# KiCad board Custom ESC.kicad_pcb (continued)
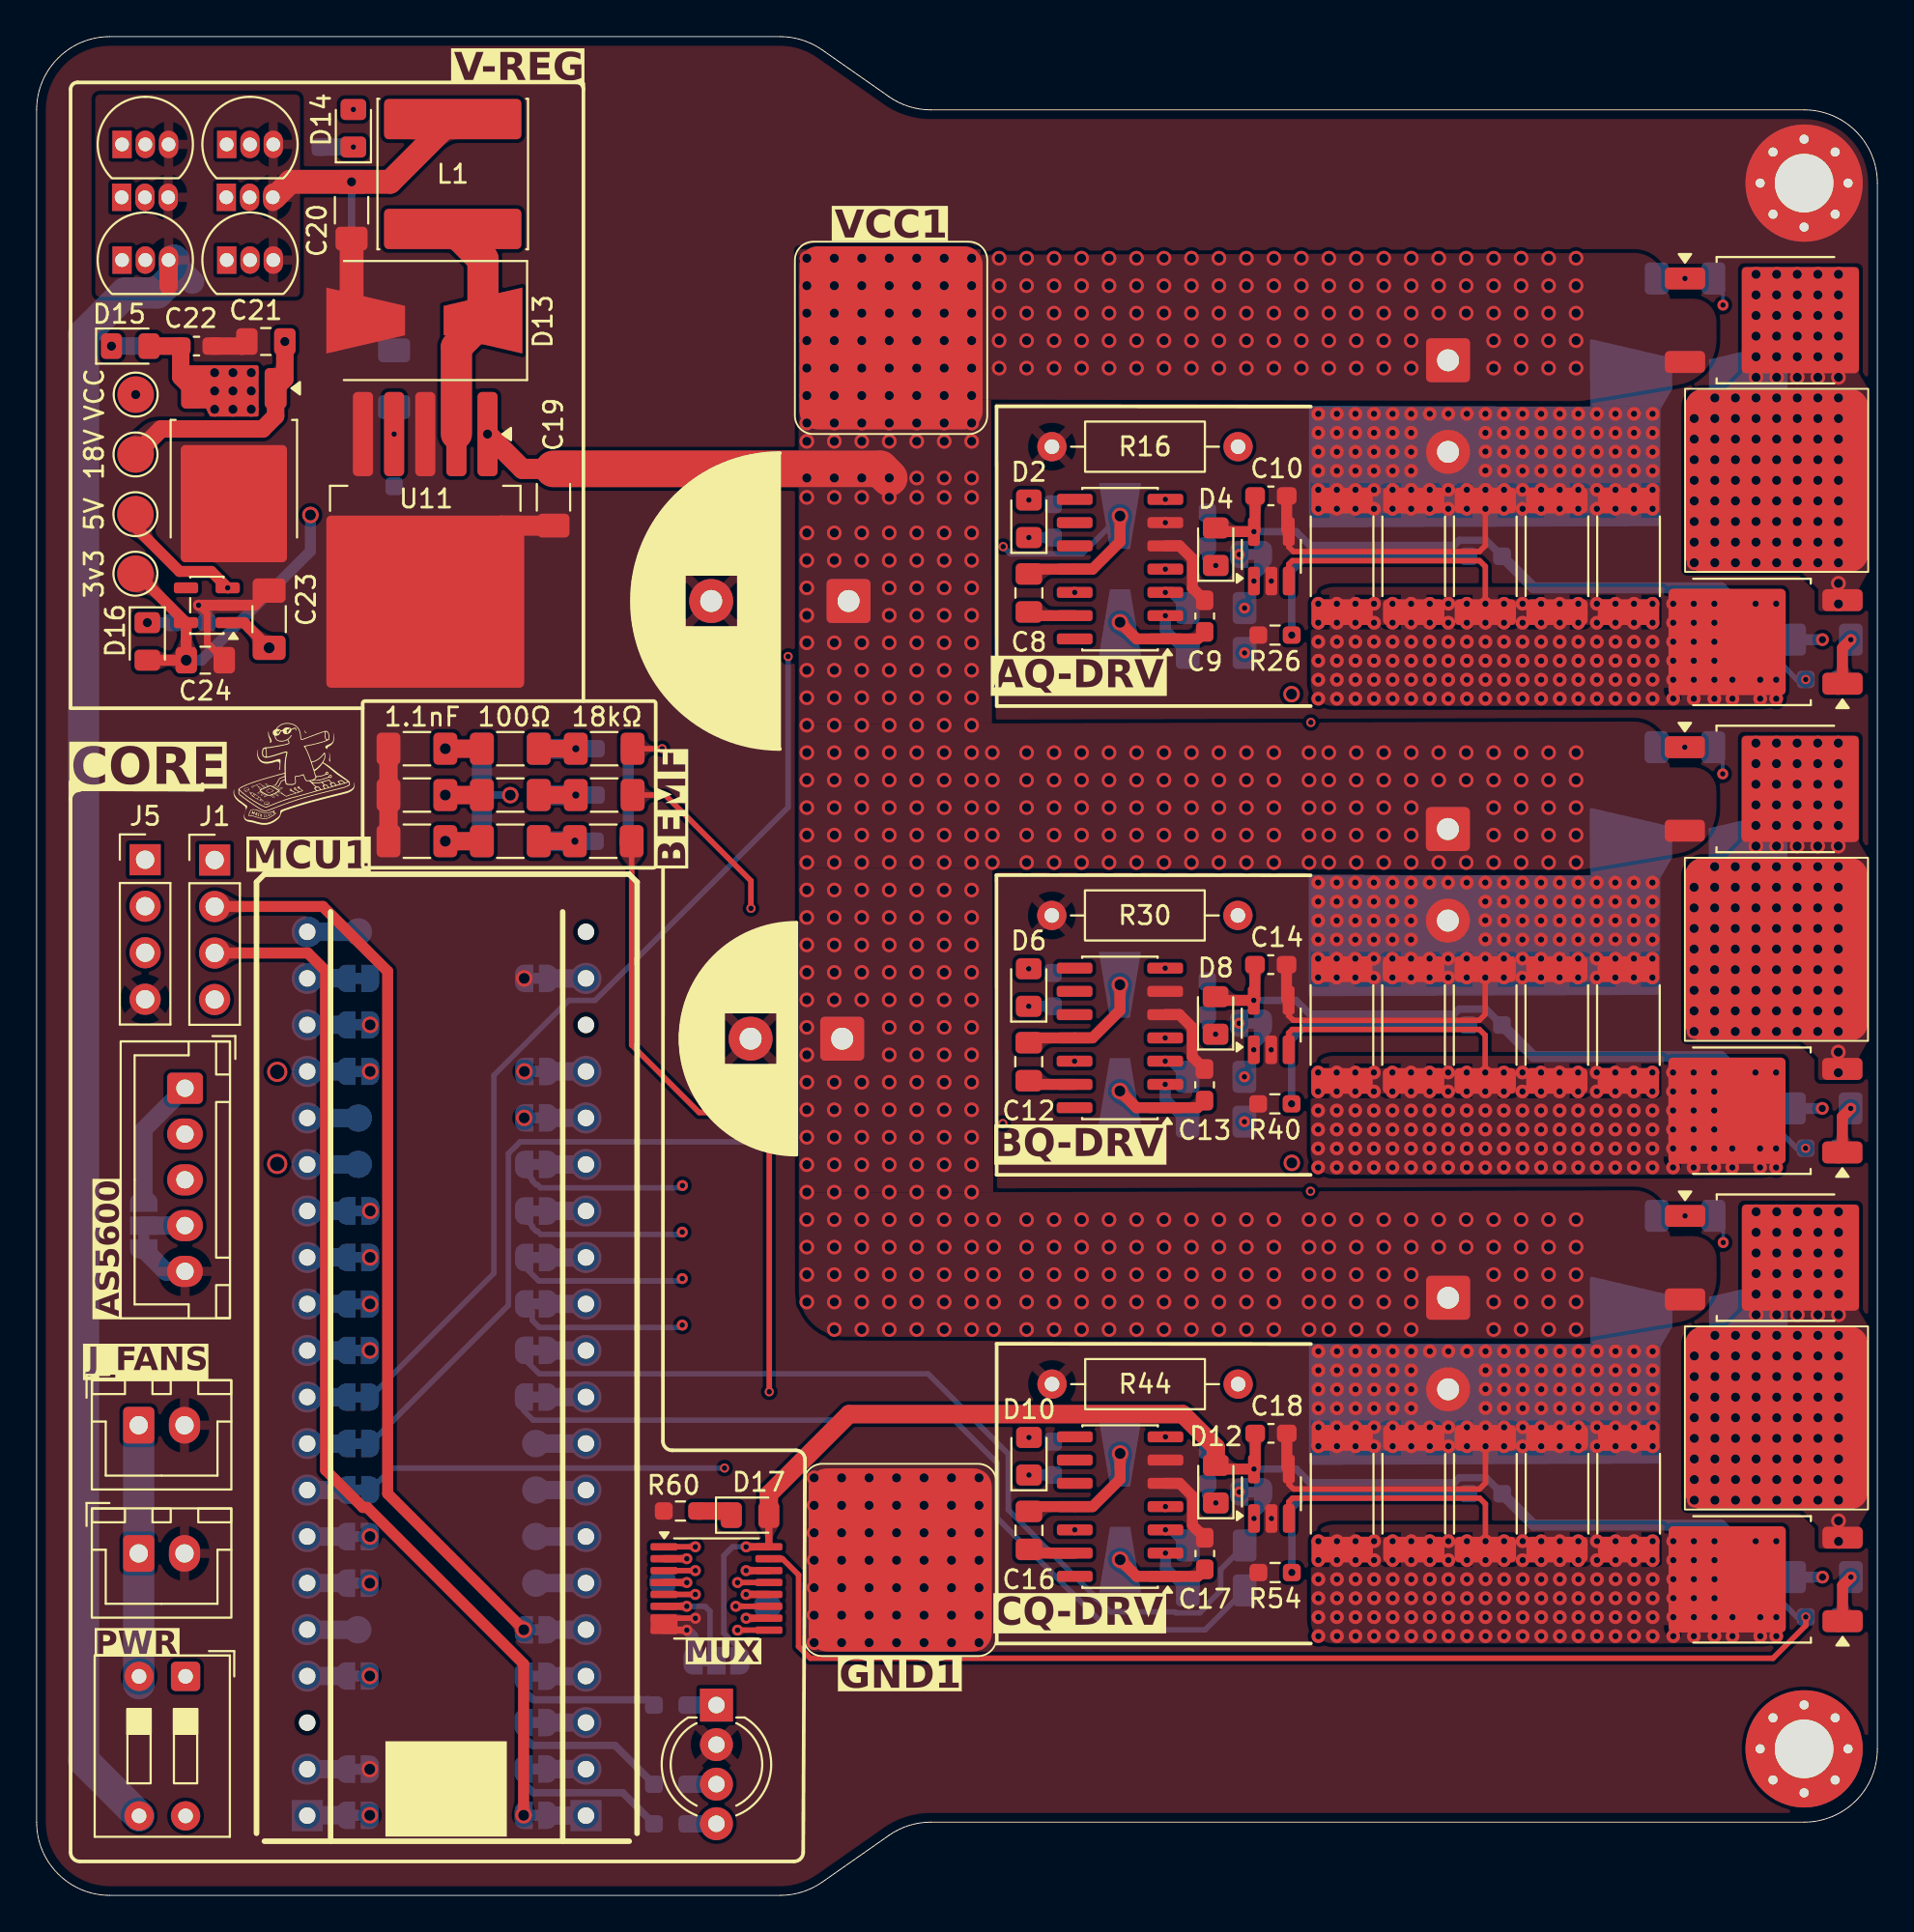
[diagram p0: board, top side]
## Library data of the parts (continued)
Q1 Q3 Q5 = -: Datasheet: https://robu.in/wp-content/uploads/2025/08/C6540284.pdf; Description: 100V 90A 3W 9mΩ@10V 2.5V 1 N-Channel; KiLib_Generator: package/TO_SOT/SMD; ki_fp_filters: QPMOS1G2S3D_TO252_DIO QPMOS1G2S3D_TO252_DIO-M QPMOS1G2S3D_TO252_DIO-L
Q2 Q4 Q6 = -: KiLib_Generator: package/TO_SOT/SMD; ki_fp_filters: QPMOS1G2S3D_TO252_DIO QPMOS1G2S3D_TO252_DIO-M QPMOS1G2S3D_TO252_DIO-L
R1-R3 R5 R7 R9 = -: Datasheet: https://robu.in/wp-content/uploads/2024/06/C17921.pdf; Description: Resistor, small symbol; KiLib_Generator: SMD_2terminal_chip_molded; ki_fp_filters: R_*
R4 R6 R8 R14 R15 R18 R24 R28 R29 R32 R38 R42 R43 R46 R52 R57-R63 = -: Datasheet: https://robu.in/wp-content/uploads/2024/06/C67088.pdf; Description: Resistor, small symbol; KiLib_Generator: SMD_2terminal_chip_molded; ki_fp_filters: R_*
R10-R12 R55 R56 = -: Datasheet: https://robu.in/wp-content/uploads/2024/07/C138242.pdf; Description: Resistor, small symbol; KiLib_Generator: SMD_2terminal_chip_molded; ki_fp_filters: R_*
R13 R17 R27 R31 R41 R45 = -: Datasheet: https://robu.in/wp-content/uploads/2024/12/royal-ohm-smd-res-datasheet.pdf; Description: Resistor, small symbol; KiLib_Generator: SMD_2terminal_chip_molded; ki_fp_filters: R_*
R16 R30 R44 = -: Description: Resistor, small symbol; KiLib_Generator: resistor/THT; ki_fp_filters: R_*
R19-R23 R33-R37 R47-R51 = -: Description: Resistor; KiLib_Generator: SMD_2terminal_chip_molded; ki_fp_filters: R_*
R25 R26 R39 R40 R53 R54 = -: Description: Resistor, small symbol; KiLib_Generator: SMD_2terminal_chip_molded; ki_fp_filters: R_*
REF** REF**#2 = -: KiLib_Generator: mounting_hardware/mounting_hole
SW1 = -: Datasheet: https://configured-product-images.s3.amazonaws.com/Datasheets/KAS.pdf; Description: 2x DIP Switch, Single Pole Single Throw (SPST) switch, small symbol; KiLib_Generator: button_switch/DIP; ki_fp_filters: SW?DIP?x2*
TH1-TH6 = -: Datasheet: https://robu.in/wp-content/uploads/2025/08/C162670.pdf; Description: Temperature dependent resistor, negative temperature coefficient; KiLib_Generator: SMD_2terminal_chip_molded; ki_fp_filters: R_* RV_*
U1 U3 U5 = -: Datasheet: https://www.infineon.com/dgdl/ir2108.pdf?fileId=5546d462533600a4015355c7dc321676; Description: Half-Bridge Driver, 600V, 210/350mA, PDIP-14/SOIC-14; KiLib_Generator: package/gullwing; ki_fp_filters: SOIC*3.9x8.7mm*P1.27mm* DIP*W7.62mm*
U2 U4 U6 = -: Datasheet: https://www.ti.com/lit/ds/symlink/ina180.pdf?HQS=dis-dk-null-digikeymode-dsf-pf-null-wwe&ts=1775967598102&ref_url=https%253A%252F%252Fwww.ti.com%252Fgeneral%252Fdocs%252Fsuppproductinfo.tsp%253FdistId%253D10%2526gotoUrl%253Dhttps%253A%252F%252Fwww.ti.com%252Flit%252Fgpn%252Fina180; Description: Current Sense Amplifier, 1 Circuit, Rail-to-Rail, 26V, Gain 50 V/V, SOT-23-5; ki_fp_filters: SOT?23*
U7-U10 U12 U13 = -: Datasheet: http://www.ti.com/lit/ds/symlink/lm2936.pdf; Description: 50mA Ultra-Low Quiescent Current LDO Voltage Regulator, 3.0V fixed output, TO-92; ki_fp_filters: TO?92*
U11 = -: Datasheet: http://www.ti.com/lit/ds/symlink/lm2596.pdf; Description: Adjustable 3A Step-Down Voltage Regulator, TO-263; KiLib_Generator: package/TO_SOT/SMD; ki_fp_filters: TO?263*
U14 = -: Datasheet: https://mm.digikey.com/Volume0/opasdata/d220001/medias/docus/7181/SL78M05%20TO-252-3.pdf; Description: 1A 40v 5V regulator; KiLib_Generator: package/TO_SOT/SMD
U15 = -: Datasheet: https://www.diodes.com/assets/Datasheets/AP2127.pdf; Description: 300mA low dropout linear regulator, shutdown pin, 2.5V-6V input voltage, 3.3V fixed positive output, SOT-23-5; KiLib_Generator: package/gullwing; ki_fp_filters: SOT?23?5*
U16 = -: Datasheet: http://www.ti.com/lit/ds/symlink/cd4052b.pdf; Description: CMOS double 4-channel analog multiplexer/demultiplexer, TSSOP-16/DIP-16/SOIC-16; KiLib_Generator: package/gullwing; ki_fp_filters: TSSOP*4.4x5mm*P0.65mm* DIP*W7.62* SOIC*3.9x9.9mm*P1.27mm* SO*5.3x10.2mm*P1.27mm*
VCC2 = -: Description: test point; Name: VCC; ki_fp_filters: Pin* Test*

## Footprints (pads in the part's own frame, mm; a bottom-side part is the same pattern mirrored in y, then rotated)
10x10
  rrect 10x10 smd: 1(0,6.5)
C_0603_1608Metric_Pad1.08x0.95mm_HandSolder
  rrect 1.075x0.95 smd: 1(-0.863,0) 2(0.863,0)
C_0805_2012Metric_Pad1.18x1.45mm_HandSolder
  rrect 1.175x1.45 smd: 1(-1.038,0) 2(1.038,0)
C_1206_3216Metric_Pad1.33x1.80mm_HandSolder
  rrect 1.325x1.8 smd: 1(-1.562,0) 2(1.562,0)
CP_Radial_D12.5mm_P5.00mm
  rrect 2.4x2.4 hole 1.2: 1(0,0)
  round 2.4 hole 1.2: 2(5,0)
CP_Radial_D16.0mm_P7.50mm
  rrect 2.4x2.4 hole 1.2: 1(0,0)
  round 2.4 hole 1.2: 2(7.5,0)
D_SMA-SMB_Universal_Handsoldering
  trapezoid 3.6x1.7 smd: 1(-2.9,0) 2(2.9,0)
D_SMB-SMC_Universal_Handsoldering
  trapezoid 4.3x2.6 smd: 1(-3.2,0) 2(3.2,0)
JST_XH_B2B-XH-A_1x02_P2.50mm_Vertical
  rrect 1.7x2 hole 1: 1(0,0)
  oval 1.7x2 hole 1: 2(2.5,0)
JST_XH_B5B-XH-A_1x05_P2.50mm_Vertical
  rrect 1.7x1.95 hole 0.95: 1(0,0)
  oval 1.7x1.95 hole 0.95: 2(2.5,0) 3(5,0) 4(7.5,0) 5(10,0)
L_Changjiang_FNR8040S
  rrect 2.2x7.5 smd: 1(-3,0) 2(3,0)
LED_0805_2012Metric_Pad1.15x1.40mm_HandSolder
  rrect 1.15x1.4 smd: 1(-1.025,0) 2(1.025,0)
LED_D5.0mm-4_RGB_Wide_Pins
  rect 1.8x1.8 hole 0.9: 1(0,0)
  round 1.8 hole 0.9: 2(2.159,0) 3(4.318,0) 4(6.477,0)
MountingHole_3.2mm_M3_Pad_Via
  round 0.8 hole 0.5: 1(-2.4,0) 1(-1.697,1.697) 1(-1.697,-1.697) 1(0,2.4) 1(0,-2.4) 1(1.697,1.697) 1(1.697,-1.697) 1(2.4,0)
  round 6.4 hole 3.2: 1(0,0)
PinHeader_1x04_P2.54mm_Vertical
  rect 1.7x1.7 hole 1: 1(0,0)
  round 1.7 hole 1: 2(0,-2.54) 3(0,-5.08) 4(0,-7.62)
R_0603_1608Metric_Pad0.98x0.95mm_HandSolder
  rrect 0.975x0.95 smd: 1(-0.912,0) 2(0.912,0)
R_1206_3216Metric_Pad1.30x1.75mm_HandSolder
  rrect 1.3x1.75 smd: 1(-1.55,0) 2(1.55,0)
R_2512_6332Metric_Pad1.40x3.35mm_HandSolder
  rrect 1.4x3.35 smd: 1(-3.05,0) 2(3.05,0)
R_Axial_DIN0207_L6.3mm_D2.5mm_P10.16mm_Horizontal
  round 1.6 hole 0.8: 1(0,0) 2(10.16,0)
SOIC-14_3.9x8.7mm_P1.27mm
  rrect 1.95x0.6 smd: 1(-2.475,3.81) 2(-2.475,2.54) 3(-2.475,1.27) 4(-2.475,0) 5(-2.475,-1.27) 6(-2.475,-2.54) 7(-2.475,-3.81) 8(2.475,-3.81) 9(2.475,-2.54) 10(2.475,-1.27) 11(2.475,0) 12(2.475,1.27) 13(2.475,2.54) 14(2.475,3.81)
SolderJumper-2_P1.3mm_Bridged_RoundedPad1.0x1.5mm
  custom 1x1.5 smd: 1(-0.65,0) 2(0.65,0)
SolderJumper-3_P1.3mm_Bridged12_RoundedPad1.0x1.5mm
  custom 1.05x1.5 smd: 1(-1.3,0) 3(1.3,0)
  rect 1x1.5 smd: 2(0,0)
SolderJumper-3_P1.3mm_Bridged12_RoundedPad1.0x1.5mm_NumberLabels
  custom 1.05x1.5 smd: 1(-1.3,0) 3(1.3,0)
  rect 1x1.5 smd: 2(0,0)
SOT-23-5
  rrect 1.325x0.6 smd: 1(-1.137,0.95) 2(-1.137,0) 3(-1.137,-0.95) 4(1.137,-0.95) 5(1.137,0.95)
SOT-23-5_HandSoldering
  rrect 1.56x0.65 smd: 1(-1.35,0.95) 2(-1.35,0) 3(-1.35,-0.95) 4(1.35,-0.95) 5(1.35,0.95)
STM32F4x1CxU6 WeActStudio
  rect 1.7x1.7 hole 0.9: 1(-18.161,-6.401) 40(-18.161,8.814)
  round 1.7 hole 0.9: 2(-15.621,-6.401) 3(-13.081,-6.401) 4(-10.541,-6.401) 5(-8.001,-6.401) 6(-5.461,-6.401) 7(-2.921,-6.401) 8(-0.381,-6.401) 9(2.159,-6.401) 10(4.699,-6.401) 11(7.239,-6.401) 12(9.779,-6.401) 13(12.319,-6.401) 14(14.859,-6.401) 15(17.399,-6.401) 16(19.939,-6.401) 17(22.479,-6.401) 18(25.019,-6.401) 19(27.559,-6.401) 20(30.099,-6.401) 21(30.099,8.814) 22(27.559,8.814) 23(25.019,8.814) 24(22.479,8.814) 25(19.939,8.814) 26(17.399,8.814) 27(14.859,8.814) 28(12.319,8.814) 29(9.779,8.814) 30(7.239,8.814) 31(4.699,8.814) 32(2.159,8.814) 33(-0.381,8.814) 34(-2.921,8.814) 35(-5.461,8.814) 36(-8.001,8.814) 37(-10.541,8.814) 38(-13.081,8.814) 39(-15.621,8.814)
SW_DIP_SPSTx02_Slide_9.78x7.26mm_W7.62mm_P2.54mm
  rrect 1.6x1.6 hole 0.8: 1(0,0)
  round 1.6 hole 0.8: 2(0,-2.54) 3(7.62,-2.54) 4(7.62,0)
TestPoint_Pad_D1.5mm
  round 1.5 smd: 1(0,0)
TestPoint_Pad_D2.0mm
  round 2 smd: 1(0,0)
TO-92_Inline
  rect 1.05x1.5 hole 0.75: 1(0,0)
  oval 1.05x1.5 hole 0.75: 2(1.27,0) 3(2.54,0)
TO-252-2
  rrect 3.05x2.75 smd: (-0.415,1.525) (-0.415,-1.525) (2.935,1.525) (2.935,-1.525)
  rrect 2.2x1.2 smd: 1(-5.04,2.28) 3(-5.04,-2.28)
  rrect 6.4x5.8 smd: 2(1.26,0)
TO-263-5_TabPin3
  rrect 4.55x5.25 smd: (-0.925,2.775) (-0.925,-2.775) (3.925,2.775) (3.925,-2.775)
  rrect 4.6x1.1 smd: 1(-7.65,3.4) 2(-7.65,1.7) 3(-7.65,0) 4(-7.65,-1.7) 5(-7.65,-3.4)
  rrect 9.4x10.8 smd: 3(1.5,0)
TSSOP-16_4.4x5mm_P0.65mm
  rrect 1.475x0.4 smd: 1(-2.862,2.275) 2(-2.862,1.625) 3(-2.862,0.975) 4(-2.862,0.325) 5(-2.862,-0.325) 6(-2.862,-0.975) 7(-2.862,-1.625) 8(-2.862,-2.275) 9(2.862,-2.275) 10(2.862,-1.625) 11(2.862,-0.975) 12(2.862,-0.325) 13(2.862,0.325) 14(2.862,0.975) 15(2.862,1.625) 16(2.862,2.275)

## Nets
+3V3: 3V1.1 C10.1 C14.1 C18.1 C24.2 D4.2 D8.2 D12.2 D16.2 D17.2 J3.1 J5.1 JP24.3 JP34.3 TH1.1 TH2.1 TH3.1 TH4.1 TH5.1 TH6.1 U2.5 U4.5 U6.5 U15.5 U16.16
+5V: 5V1.1 C22.1 C23.1 D15.2 J1.1 SW1.4 U14.3 U15.1 U15.3
+18V: 18V1.1 C9.1 C13.1 C17.1 C21.1 D1.2 D2.2 D5.2 D6.2 D9.2 D10.2 D14.2 U1.1 U3.1 U5.1 U7.1 U8.1 U9.1 U10.1 U12.1 U13.1 U14.1
GND: C2.2 C3.2 C4.2 C5.2 C6.2 C7.2 C9.2 C10.2 C11.2 C13.2 C14.2 C15.2 C17.2 C18.2 C19.2 C20.2 C21.2 C22.2 C23.2 C24.1 D3.1 D7.1 D11.1 D13.2 D18.2 GND1.1 J2.2 J3.5 J4.2 J5.4 JP7.1 JP24.1 JP32.1 JP34.1 R10.1 R11.1 R12.1 R16.1 R18.1 R19.2 R20.2 R21.2 R22.2 R23.2 R24.1 R25.2 R26.2 R30.1 R32.1 R33.2 R34.2 R35.2 R36.2 R37.2 R38.1 R39.2 R40.2 R44.1 R46.1 R47.2 R48.2 R49.2 R50.2 R51.2 R52.1 R53.2 R54.2 R56.1 R57.1 R58.1 R59.1 R60.1 REF**#2.1 U1.5 U1.6 U2.2 U2.4 U3.5 U3.6 U4.2 U4.4 U5.5 U5.6 U6.2 U6.4 U7.2 U8.2 U9.2 U10.2 U11.3 U11.5 U12.2 U13.2 U14.2 U15.2 U16.7 U16.8
VCC: C2.1 C3.1 C7.1 C11.1 C15.1 C19.1 Q1.3 Q3.3 Q5.3 U11.1 VCC1.1 VCC2.1
/A_BEMF: C4.1 JP23.1 R4.1
/A_HIN: JP25.1 R14.1
/A_I: JP1.2 JP17.1
/A_LIN: JP27.1 R15.1
/A_PHASE: A1.1 C8.2 D1.1 D3.2 Q1.2 Q2.3 R5.2 U1.11
/A_Q1: R25.1 TH1.2 U16.12
/A_Q2: R26.1 TH2.2 U16.1
/B_BEMF: C5.1 JP21.1 R6.1
/B_HIN: JP20.1 R28.1
/B_I: JP2.2 JP15.1
/B_LIN: JP22.1 R29.1
/B_PHASE: B1.1 C12.2 D5.1 D7.2 Q3.2 Q4.3 R7.2 U3.11
/B_Q1: R39.1 TH3.2 U16.14
/B_Q2: R40.1 TH4.2 U16.5
/C_BEMF: C6.1 JP19.1 R8.1
/C_HIN: JP16.1 R42.1
/C_I: JP3.2 JP14.1
/C_LIN: JP18.1 R43.1
/C_PHASE: C1.1 C16.2 D9.1 D11.2 Q5.2 Q6.3 R9.2 U5.11
/C_Q1: R53.1 TH5.2 U16.15
/C_Q2: R54.1 TH6.2 U16.2
/CORE/A8: J1.2 JP11.1
/CORE/B10: J1.4 JP10.1
/CORE/B12: J1.3 JP4.1
/CORE/BLUE: JP6.1 R63.2
/CORE/C13: JP33.1
/CORE/fan+: J2.1 J4.1 SW1.2
/CORE/GREEN: JP8.1 R62.2
/CORE/MUX_A: JP30.1 U16.10
/CORE/MUX_B: JP31.1 U16.9
/CORE/Q1_TEMP: JP13.1 U16.13
/CORE/Q2_TEMP: JP12.1 U16.3
/CORE/RED: JP9.1 R61.2
/CORE/SCL: J3.2 J5.2 JP29.1
/CORE/SDA: J3.3 J5.3 JP28.1
Vdrive: C20.1 L1.2 R55.2 SW1.3 U7.3 U8.3 U9.3 U10.3 U12.3 U13.3
VN: JP26.1 R1.1 R2.1 R3.1
Net-(D2-K): D2.1 R18.2
Net-(D4-K): D4.1 R24.2
Net-(D6-K): D6.1 R32.2
Net-(D8-K): D8.1 R38.2
Net-(D10-K): D10.1 R46.2
Net-(D12-K): D12.1 R52.2
Net-(D13-K): D13.1 L1.1 U11.2
Net-(D14-K): D14.1 R57.2
Net-(D15-K): D15.1 R58.2
Net-(D16-K): D16.1 R59.2
Net-(D17-K): D17.1 R60.2
Net-(D18-BK): D18.4 R63.1
Net-(D18-GK): D18.3 R62.1
Net-(D18-RK): D18.1 R61.1
Net-(J3-DIR): J3.4 JP34.2
Net-(JP1-A): JP1.1 U2.1
Net-(JP2-A): JP2.1 U4.1
Net-(JP3-A): JP3.1 U6.1
Net-(JP4-B): JP4.2 MCU1.1
Net-(JP5-A): JP5.1 SW1.1
Net-(JP5-B): JP5.2 MCU1.40
Net-(JP6-B): JP6.2 MCU1.2
Net-(JP7-B): JP7.2 MCU1.39
Net-(JP8-B): JP8.2 MCU1.3
Net-(JP9-B): JP9.2 MCU1.4
Net-(JP10-B): JP10.2 MCU1.37
Net-(JP11-B): JP11.2 MCU1.5
Net-(JP12-B): JP12.2 MCU1.35
Net-(JP13-B): JP13.2 MCU1.34
Net-(JP14-B): JP14.2 MCU1.33
Net-(JP15-B): JP15.2 MCU1.32
Net-(JP16-B): JP16.2 MCU1.10
Net-(JP17-B): JP17.2 MCU1.31
Net-(JP18-B): JP18.2 MCU1.11
Net-(JP19-B): JP19.2 MCU1.30
Net-(JP20-B): JP20.2 MCU1.12
Net-(JP21-B): JP21.2 MCU1.29
Net-(JP22-B): JP22.2 MCU1.13
Net-(JP23-B): JP23.2 MCU1.28
Net-(JP24-C): JP24.2 U16.6
Net-(JP25-B): JP25.2 MCU1.14
Net-(JP26-B): JP26.2 MCU1.27
Net-(JP27-B): JP27.2 MCU1.15
Net-(JP28-B): JP28.2 MCU1.16
Net-(JP29-B): JP29.2 MCU1.17
Net-(JP30-B): JP30.2 MCU1.24
Net-(JP31-B): JP31.2 MCU1.23
Net-(JP32-B): JP32.2 MCU1.19
Net-(JP33-B): JP33.2 MCU1.22
Net-(MCU1A-PA0): MCU1.26 TP6.1
Net-(MCU1A-PA9): MCU1.6 TP2.1
Net-(MCU1A-PA10): MCU1.7 TP3.1
Net-(MCU1A-PA11): MCU1.8 TP4.1
Net-(MCU1A-PA12): MCU1.9 TP5.1
Net-(MCU1A-PB2): MCU1.36 TP1.1
Net-(MCU1A-RST): MCU1.25 TP7.1
Net-(MCU1A-VBAT): MCU1.21 TP8.1
Net-(Q1-G): Q1.1 R13.2
Net-(Q2-G): Q2.1 R17.2
Net-(Q2-S): Q2.2 R19.1 R20.1 R21.1 R22.1 R23.1 U2.3
Net-(Q3-G): Q3.1 R27.2
Net-(Q4-G): Q4.1 R31.2
Net-(Q4-S): Q4.2 R33.1 R34.1 R35.1 R36.1 R37.1 U4.3
Net-(Q5-G): Q5.1 R41.2
Net-(Q6-G): Q6.1 R45.2
Net-(Q6-S): Q6.2 R47.1 R48.1 R49.1 R50.1 R51.1 U6.3
Net-(R1-Pad2): R1.2 R4.2 R5.1 R10.2
Net-(R11-Pad2): R2.2 R6.2 R7.1 R11.2
Net-(R12-Pad2): R3.2 R8.2 R9.1 R12.2
Net-(U1-DT): R16.2 U1.4
Net-(U1-HIN): R14.2 U1.2
Net-(U1-HO): R13.1 U1.12
Net-(U1-LO): R17.1 U1.7
Net-(U1-VB): C8.1 U1.13
Net-(U1-~{LIN}): R15.2 U1.3
Net-(U3-DT): R30.2 U3.4
Net-(U3-HIN): R28.2 U3.2
Net-(U3-HO): R27.1 U3.12
Net-(U3-LO): R31.1 U3.7
Net-(U3-VB): C12.1 U3.13
Net-(U3-~{LIN}): R29.2 U3.3
Net-(U5-DT): R44.2 U5.4
Net-(U5-HIN): R42.2 U5.2
Net-(U5-HO): R41.1 U5.12
Net-(U5-LO): R45.1 U5.7
Net-(U5-VB): C16.1 U5.13
Net-(U5-~{LIN}): R43.2 U5.3
Net-(U11-FB): R55.1 R56.2 U11.4
Net-(U16-X3): U16.11 X1.1
Net-(U16-Y3): U16.4 Y1.1

Pads without a net: MCU1 18 20 38; REF** 1; U1 8 9 10 14; U3 8 9 10 14; U5 8 9 10 14; U15 4

## Via types
v1: diameter 0.75, hole 0.35, Top to Bottom, 735 vias
v2: diameter 0.8, hole 0.5, Top to Bottom, 969 vias
v3: diameter 0.6, hole 0.3, Top to Bottom, 74 vias
v4: diameter 0.9, hole 0.6, Top to Bottom, 31 vias
v5: diameter 0.7, hole 0.4, Top to Bottom, 9 vias
v6: diameter 0.5, hole 0.3, Top to Bottom, 14 vias
v7: diameter 1.1, hole 0.8, Top to Bottom, 2 vias

## Routing (per net, layer and track width the routed paths; a pad name or vN(x,y) marks a point on that pad's centre or on a via; arc(x,y) is an arc through that point)
+3V3: length 309.3
  Top w0.4: v3(38.73,19.03) U16.16 D17.2
  Top w0.6: D12.2 64.58,23.28 v3(66.47,23.28) 66.53,23.34 C18.1 ; C14.1 66.52,48.94 v3(66.45,48.87) 64.57,48.87 D8.2 ; D16.2 v4(8.17,67.45) 8.17,69.49 U15.5 5.48,72.17 3V1.1 ; D4.2 64.58,74.47 v3(66.46,74.47) 66.53,74.53 C10.1
  Top w1: D17.2 39.98,21.9 44.35,26.28 62.57,26.28 64.38,24.47 D12.2
  In2.Cu w0.6: v4(68.53,40) 67.67,40.86 67.67,45.3 68.22,45.86 68.22,47.1 v3(66.45,48.87) ; 66.44,74.47 68.37,72.54 68.37,71.16 68.36,71.16 67.65,70.45 67.65,66.46 v4(68.52,65.59) ; v3(66.46,74.47) 66.15,74.16 57.11,74.16 55.89,75.38 v4(14.95,75.38)
  In2.Cu w1.7: 3.67,55.47 4.75,56.55 J5.1 4.74,56.55 3.67,57.62 ; 3.67,55.47 3.67,45.52 5.12,44.07 J3.1 ; 3.67,55.47 3.67,57.62 ; 3.67,57.62 8.17,62.12 v4(8.17,67.45)
  In3.Cu w0.6: v4(68.53,40) 68.53,25.34 v3(66.47,23.28) ; v3(66.45,48.87) 68.52,50.94 v4(68.52,65.59)
  Bottom w0.3: v3(38.73,19.03) 38,19.03 37.52,18.55 37.52,14.31 38.42,13.42 JP24.3
  Bottom w0.4: TH2.1 79.13,74 77.66,74 77.38,73.72 69.51,73.72 68.76,74.47 v3(66.46,74.47) ; TH4.1 79.12,48.4 77.65,48.4 77.38,48.12 69.5,48.12 68.75,48.87 v3(66.45,48.87) ; v3(66.47,23.28) 68.77,23.28 69.52,22.53 77.39,22.53 77.67,22.81 79.14,22.81 TH6.1
  Bottom w0.6: TH1.1 92.98,69.72 92.98,70.39 91.96,71.41 81.72,71.41 TH2.1 ; TH5.1 92.98,18.53 92.98,19.2 91.97,20.21 81.73,20.21 TH6.1 ; TH3.1 92.97,44.12 92.97,44.8 91.96,45.81 81.72,45.81 TH4.1 ; v4(14.95,75.38) 14.95,73.4 9,67.45 v4(8.17,67.45)
  Bottom w0.95: J3.1 5.85,41.82 JP34.3
+5V: length 120.7
  Top w0.6: v3(10.43,71.4) 9.53,72.3 7.8,72.3 5.39,74.71 5V1.1 ; U15.1 11.32,69.5 v4(12.69,68.12)
  Top w0.95: 7.88,82.91 U14.3 7.87,82.92 C22.1 D15.2
  In1.Cu w1: v3(10.43,71.4) 10.43,70.39 v4(12.69,68.12)
  In2.Cu w0.6: v2(9.72,83.15) v2(10.72,83.15) ; v2(9.72,83.15) v2(11.72,83.15) ; v2(9.72,83.15) v2(9.72,81.15) ; v2(10.72,83.15) v2(9.72,82.15) 10.38,82.15 11.05,82.82 ; v2(10.72,83.15) v2(11.72,83.15) ; v2(10.72,83.15) 11.05,82.82 ; v2(10.72,82.15) v2(11.72,82.15) ; v2(11.72,82.15) 11.05,82.82 ; v2(11.72,82.15) v2(10.72,81.15) v2(9.72,81.15) ; v2(11.72,82.15) v2(11.72,81.15) v2(9.72,81.15) ; v2(11.72,82.15) v2(11.72,83.15)
  In2.Cu w0.95: 10.43,81.86 v2(10.72,82.15)
  In2.Cu w1.7: 10.43,69.2 10.43,57.25 J1.1 9.87,56.54 11.75,54.65 11.75,45.85 11.54,45.63 11.54,44.31 11.75,44.09 11.75,40.83 11.53,40.61 11.53,39.28 11.75,39.06 11.75,7.56 8.13,3.94 ; 10.43,69.2 11.51,68.12 v4(12.69,68.12) ; 10.43,69.2 v3(10.43,71.4) 10.43,80.97 10.25,81.15
+18V: length 158.1
  Top w0.6: C17.1 63.39,17.42 U5.1 60.06,17.42 v4(59.16,18.33) ; C13.1 63.38,43.01 U3.1 60.05,43.01 v4(59.14,43.92) ; C9.1 63.39,68.61 U1.1 60.06,68.61 v4(59.15,69.52)
  Top w0.95: 18V1.1 6.79,80.08 12.34,80.08 13.05,80.78 U14.1 13.55,82.8 v2(13.55,84.85)
  In2.Cu w0.6: v3(17.29,97.52) 36.51,78.3 52.07,78.3 v3(54.17,76.2) ; v3(54.18,25) 53.15,26.03 53.15,37.93 v4(59.14,43.92) ; v4(59.15,69.52) 53.15,63.52 53.15,51.62 v3(54.17,50.6)
  In2.Cu w1.7: v3(17.29,97.52) 11.1,97.52 10.07,96.49 10.07,95.62
  In3.Cu w0.6: v4(59.14,43.92) 59.14,45.62 v3(54.17,50.6) ; v4(59.15,69.52) 59.15,71.22 v3(54.17,76.2) ; v3(54.18,25) 59.16,20.03 v4(59.16,18.33)
  In3.Cu w0.95: v2(13.55,84.85) 10.38,88.02 U9.1
GND: length 105.3
  Top w0.3: U2.4 68.36,73.64 68.62,73.38 78.77,73.38 79.09,73.71 R21.2 ; U4.4 68.35,48.04 68.61,47.78 78.76,47.78 79.09,48.11 R35.2 ; v3(35.97,15.13) U16.7 ; R49.2 79.1,22.51 78.78,22.19 68.62,22.19 68.37,22.45 U6.4
  Top w0.37: v3(8.84,70.45) 9.32,69.97 9.32,68.38 C24.1
  Top w0.4: v3(35.5,14.48) U16.8
  Top w0.6: U3.5 62.4,48.09 63.09,47.4 63.09,45.8 C13.2 ; C18.2 68.25,23.39 U6.4 ; C9.2 63.1,71.4 63.1,73 62.41,73.69 U1.5 ; C23.2 11.89,70.45 U15.2 v3(8.84,70.45) ; U5.5 62.41,22.5 63.11,21.8 63.11,20.2 C17.2 ; U4.4 68.24,48.99 C14.2 ; C10.2 68.25,74.58 U2.4
  Top w0.95: C22.2 11.23,84.6 C21.2 ; 9.67,77.1 U14.2
  Top w1: C4.2 C6.2
  Top w1.1: U11.3 25.37,74.8 C19.2
  Top w1.3: C20.2 17.19,86.77
  Top w1.7: 17.19,86.77 D13.2
  Bottom w0.6: v3(35.5,14.48) 35.82,14.16 35.82,12.82 JP24.1 ; R12.1 32.3,62.56 R10.1 ; v3(8.84,70.45) 9.3,69.99 R59.1
  Bottom w1: JP34.1 7.05,34.07 J3.5
  vias: v1(69.97,80.9) v1(69.97,79.86) v1(69.97,78.83) v1(69.97,77.79) v1(69.97,76.75) v1(69.97,75.72) v1(69.97,55.3) v1(69.97,54.27) v1(69.97,53.23) v1(69.97,52.19) v1(69.97,51.16) v1(69.97,50.12) v1(69.98,29.71) v1(69.98,28.67) v1(69.98,27.64) v1(69.98,26.6) v1(69.98,25.56) v1(69.98,24.52) v1(70.99,80.9) v1(70.99,79.86) v1(70.99,78.83) v1(70.99,77.79) v1(70.99,76.75) v1(70.99,75.72) v1(70.98,55.3) v1(70.98,54.27) v1(70.98,53.23) v1(70.98,52.19) v1(70.98,51.16) v1(70.98,50.12) v1(70.99,29.71) v1(70.99,28.67) v1(70.99,27.64) v1(70.99,26.6) v1(70.99,25.56) v1(70.99,24.52) v1(72,80.9) v1(72,79.86) v1(72,78.83) v1(72,77.79) v1(72,76.75) v1(72,75.72) v1(72,55.3) v1(72,54.27) v1(72,53.23) v1(72,52.19) v1(72,51.16) v1(72,50.12) v1(72.01,29.71) v1(72.01,28.67) v1(72.01,27.64) v1(72.01,26.6) v1(72.01,25.56) v1(72.01,24.52) v1(73.02,80.9) v1(73.02,79.86) v1(73.02,78.83) v1(73.02,77.79) v1(73.02,76.75) v1(73.02,75.72) v1(73.01,55.3) v1(73.01,54.27) v1(73.01,53.23) v1(73.01,52.19) v1(73.01,51.16) v1(73.01,50.12) v1(73.02,29.71) v1(73.02,28.67) v1(73.02,27.64) v1(73.02,26.6) v1(73.02,25.56) v1(73.02,24.52) v1(74.03,80.9) v1(74.03,79.86) v1(74.03,78.83) v1(74.03,77.79) v1(74.03,76.75) v1(74.03,75.72) v1(74.02,55.3) v1(74.02,54.27) v1(74.02,53.23) v1(74.02,52.19) v1(74.02,51.16) v1(74.02,50.12) v1(74.04,29.71) v1(74.04,28.67) v1(74.04,27.64) v1(74.04,26.6) v1(74.04,25.56) v1(74.04,24.52) v1(75.05,80.9) v1(75.05,79.86) v1(75.05,78.83) v1(75.05,77.79) v1(75.05,76.75) v1(75.05,75.72) v1(75.04,55.3) v1(75.04,54.27) v1(75.04,53.23) v1(75.04,52.19) v1(75.04,51.16) v1(75.04,50.12) v1(75.05,29.71) v1(75.05,28.67) v1(75.05,27.64) v1(75.05,26.6) v1(75.05,25.56) v1(75.05,24.52) v1(76.06,80.9) v1(76.06,76.75) v1(76.06,75.72) v1(76.05,55.3) v1(76.05,51.16) v1(76.05,50.12) v1(76.06,29.71) v1(76.06,25.56) v1(76.06,24.52) v1(77.07,80.9) v1(77.07,76.75) v1(77.07,75.72) v1(77.07,55.3) v1(77.07,51.16) v1(77.07,50.12) v1(77.08,29.71) v1(77.08,25.56) v1(77.08,24.52) v1(78.09,80.9) v1(78.09,76.75) v1(78.09,75.72) v1(78.08,55.3) v1(78.08,51.16) v1(78.08,50.12) v1(78.09,29.71) v1(78.09,25.56) v1(78.09,24.52) v1(79.1,80.9) v1(79.1,79.86) v1(79.1,78.84) v1(79.1,77.8) v1(79.1,76.75) v1(79.1,75.72) v1(79.09,55.3) v1(79.09,54.27) v1(79.09,53.24) v1(79.09,52.21) v1(79.09,51.16) v1(79.09,50.12) v1(79.11,29.71) v1(79.11,28.67) v1(79.1,27.65) v1(79.1,26.61) v1(79.11,25.56) v1(79.11,24.52) v1(80.12,80.9) v1(80.12,79.86) v1(80.12,78.83) v1(80.12,77.79) v1(80.12,76.75) v1(80.12,75.72) v1(80.11,55.3) v1(80.11,54.27) v1(80.11,53.23) v1(80.11,52.19) v1(80.11,51.16) v1(80.11,50.12) v1(80.12,29.71) v1(80.12,28.67) v1(80.12,27.64) v1(80.12,26.6) v1(80.12,25.56) v1(80.12,24.52) v1(81.13,80.9) v1(81.13,79.86) v1(81.13,78.83) v1(81.13,77.79) v1(81.13,76.75) v1(81.13,75.72) v1(81.12,55.3) v1(81.12,54.27) v1(81.12,53.23) v1(81.12,52.19) v1(81.12,51.16) v1(81.12,50.12) v1(81.13,29.71) v1(81.13,28.67) v1(81.13,27.64) v1(81.13,26.6) v1(81.13,25.56) v1(81.13,24.52) v1(82.14,80.9) v1(82.14,79.86) v1(82.14,78.83) v1(82.14,77.79) v1(82.14,76.75) v1(82.14,75.72) v1(82.14,55.3) v1(82.14,54.27) v1(82.14,53.23) v1(82.14,52.19) v1(82.14,51.16) v1(82.14,50.12) v1(82.15,29.71) v1(82.15,28.67) v1(82.15,27.64) v1(82.15,26.6) v1(82.15,25.56) v1(82.15,24.52) v1(83.15,55.3) v1(83.15,54.27) v1(83.15,53.23) v1(83.15,52.19) v1(83.15,51.16) v1(83.15,50.12) v1(83.16,80.9) v1(83.16,79.86) v1(83.16,78.83) v1(83.16,77.79) v1(83.16,76.75) v1(83.16,75.72) v1(83.16,29.71) v1(83.16,28.67) v1(83.16,27.64) v1(83.16,26.6) v1(83.16,25.56) v1(83.16,24.52) v1(84.17,80.9) v1(84.17,79.86) v1(84.17,78.83) v1(84.17,77.79) v1(84.17,76.75) v1(84.17,75.72) v1(84.16,55.3) v1(84.16,54.27) v1(84.16,53.23) v1(84.16,52.19) v1(84.16,51.16) v1(84.16,50.12) v1(84.18,29.71) v1(84.18,28.67) v1(84.18,27.64) v1(84.18,26.6) v1(84.18,25.56) v1(84.18,24.52) v1(85.19,80.9) v1(85.19,79.86) v1(85.19,78.83) v1(85.19,77.79) v1(85.19,76.75) v1(85.19,75.72) v1(85.18,55.3) v1(85.18,54.27) v1(85.18,53.23) v1(85.18,52.19) v1(85.18,51.16) v1(85.18,50.12) v1(85.19,29.71) v1(85.19,28.67) v1(85.19,27.64) v1(85.19,26.6) v1(85.19,25.56) v1(85.19,24.52) v1(86.2,80.9) v1(86.2,79.86) v1(86.2,78.83) v1(86.2,77.8) v1(86.2,76.75) v1(86.2,75.72) v1(86.19,55.3) v1(86.19,54.27) v1(86.19,53.24) v1(86.19,52.2) v1(86.19,51.16) v1(86.19,50.12) v1(86.2,29.71) v1(86.2,28.67) v1(86.2,27.64) v1(86.2,26.61) v1(86.2,25.56) v1(86.2,24.52) v1(87.21,80.9) v1(87.21,79.86) v1(87.21,78.83) v1(87.21,77.8) v1(87.21,76.75) v1(87.21,75.72) v1(87.21,55.3) v1(87.21,54.27) v1(87.2,53.24) v1(87.2,52.2) v1(87.21,51.16) v1(87.21,50.12) v1(87.22,29.71) v1(87.22,28.67) v1(87.22,27.64) v1(87.22,26.61) v1(87.22,25.56) v1(87.22,24.52) v1(88.23,80.9) v1(88.23,79.86) v1(88.23,78.83) v1(88.23,77.79) v1(88.23,76.75) v1(88.23,75.72) v1(88.22,55.3) v1(88.22,54.27) v1(88.22,53.23) v1(88.22,52.19) v1(88.22,51.16) v1(88.22,50.12) v1(88.23,29.71) v1(88.23,28.67) v1(88.23,27.64) v1(88.23,26.6) v1(88.23,25.56) v1(88.23,24.52) v2(37.99,50.83) v2(37.99,49.83) v2(37.99,48.83) v2(38.99,51.08) v2(38.99,50.08) v2(38.99,49.08) v2(39.99,50.83) v2(39.99,49.83) v2(39.99,48.83) v2(42.45,22.8) v2(42.45,21.3) v2(42.45,19.8) v2(42.45,18.3) v2(42.45,16.8) v2(42.45,15.3) v2(42.45,13.8) v2(43.95,22.8) v2(43.95,21.3) v2(43.95,19.8) v2(43.95,18.3) v2(43.95,16.8) v2(43.95,15.3) v2(43.95,13.8) v2(45.45,22.8) v2(45.45,21.3) v2(45.45,19.8) v2(45.45,18.3) v2(45.45,16.8) v2(45.45,15.3) v2(45.45,13.8) v2(46.95,22.8) v2(46.95,21.3) v2(46.95,19.8) v2(46.95,18.3) v2(46.95,16.8) v2(46.95,15.3) v2(46.95,13.8) v2(48.45,22.8) v2(48.45,21.3) v2(48.45,19.8) v2(48.45,18.3) v2(48.45,16.8) v2(48.45,15.3) v2(48.45,13.8) v2(49.95,22.8) v2(49.95,21.3) v2(49.95,19.8) v2(49.95,18.3) v2(49.95,16.8) v2(49.95,15.3) v2(49.95,13.8) v2(51.45,22.8) v2(51.45,21.3) v2(51.45,19.8) v2(51.45,18.3) v2(51.45,16.8) v2(51.45,15.3) v2(51.45,13.8) v3(61.62,74.96) v3(67.41,71.77) v3(67.4,46.17) v3(67.42,20.58) v4(18.19,6.89) v4(26.62,50.07)
VCC: length 46.5
  Top w1.1: C19.1 26.52,77.9 v2(24.62,79.8)
  Top w2: C19.1 46.05,77.9 v2(46.55,77.4)
  In2.Cu w0.95: v2(24.62,79.8) 18.31,86.1 9.56,86.1 v2(5.41,81.95)
  vias: v2(42.05,89.4) v2(42.05,87.9) v2(42.05,86.4) v2(42.05,84.9) v2(42.05,83.4) v2(42.05,81.9) v2(42.05,80.4) v2(42.05,79.4) v2(42.05,77.4) v2(42.05,76.34) v2(42.05,74.4) v2(42.05,72.9) v2(42.05,71.4) v2(42.05,69.9) v2(42.05,68.4) v2(42.05,66.9) v2(42.05,65.4) v2(42.05,63.9) v2(42.05,62.4) v2(42.05,60.9) v2(42.05,59.4) v2(42.05,57.9) v2(42.05,56.4) v2(42.05,54.9) v2(42.05,53.4) v2(42.05,51.9) v2(42.05,50.4) v2(42.05,48.9) v2(42.05,47.4) v2(42.05,45.9) v2(42.05,44.4) v2(42.05,42.9) v2(42.05,41.4) v2(42.05,39.9) v2(42.05,38.4) v2(42.05,36.9) v2(42.05,35.4) v2(42.05,33.9) v2(42.05,32.4) v2(43.55,89.4) v2(43.55,87.9) v2(43.55,86.4) v2(43.55,84.9) v2(43.55,83.4) v2(43.55,81.9) v2(43.55,80.4) v2(43.55,79.4) v2(43.55,77.4) v2(43.55,76.34) v2(43.55,74.4) v2(43.55,72.9) v2(43.55,68.4) v2(43.55,66.9) v2(43.55,65.4) v2(43.55,63.9) v2(43.55,62.4) v2(43.55,60.9) v2(43.55,59.4) v2(43.55,57.9) v2(43.55,56.4) v2(43.55,54.9) v2(43.55,53.4) v2(43.55,51.9) v2(43.55,50.4) v2(43.55,48.9) v2(43.55,44.4) v2(43.55,42.9) v2(43.55,41.4) v2(43.55,39.9) v2(43.55,38.4) v2(43.55,36.9) v2(43.55,35.4) v2(43.55,33.9) v2(43.55,32.4) v2(43.55,30.9) v2(45.05,89.4) v2(45.05,87.9) v2(45.05,86.4) v2(45.05,84.9) v2(45.05,83.4) v2(45.05,81.9) v2(45.05,80.4) v2(45.05,79.4) v2(45.05,77.4) v2(45.05,76.34) v2(45.05,74.4) v2(45.05,72.9) v2(45.05,68.4) v2(45.05,66.9) v2(45.05,65.4) v2(45.05,63.9) v2(45.05,62.4) v2(45.05,60.9) v2(45.05,59.4) v2(45.05,57.9) v2(45.05,56.4) v2(45.05,54.9) v2(45.05,53.4) v2(45.05,51.9) v2(45.05,50.4) v2(45.05,48.9) v2(45.05,44.4) v2(45.05,42.9) v2(45.05,41.4) v2(45.05,39.9) v2(45.05,38.4) v2(45.05,36.9) v2(45.05,35.4) v2(45.05,33.9) v2(45.05,32.4) v2(45.05,30.9) v2(46.55,89.4) v2(46.55,87.9) v2(46.55,86.4) v2(46.55,84.9) v2(46.55,83.4) v2(46.55,81.9) v2(46.55,80.4) v2(46.55,79.4) v2(46.55,76.34) v2(46.55,74.4) v2(46.55,72.9) v2(46.55,71.4) v2(46.55,69.9) v2(46.55,68.4) v2(46.55,66.9) v2(46.55,65.4) v2(46.55,63.9) v2(46.55,62.4) v2(46.55,60.9) v2(46.55,59.4) v2(46.55,57.9) v2(46.55,56.4) v2(46.55,54.9) v2(46.55,53.4) v2(46.55,51.9) v2(46.55,50.4) v2(46.55,48.9) v2(46.55,47.4) v2(46.55,45.9) v2(46.55,44.4) v2(46.55,42.9) v2(46.55,41.4) v2(46.55,39.9) v2(46.55,38.4) v2(46.55,36.9) v2(46.55,35.4) v2(46.55,33.9) v2(46.55,32.4) v2(46.55,30.9) v2(48.05,89.4) v2(48.05,87.9) v2(48.05,86.4) v2(48.05,84.9) v2(48.05,83.4) v2(48.05,81.9) v2(48.05,80.4) v2(48.05,79.4) v2(48.05,77.4) v2(48.05,76.34) v2(48.05,74.4) v2(48.05,72.9) v2(48.05,71.4) v2(48.05,69.9) v2(48.05,68.4) v2(48.05,66.9) v2(48.05,65.4) v2(48.05,63.9) v2(48.05,62.4) v2(48.05,60.9) v2(48.05,59.4) v2(48.05,57.9) v2(48.05,56.4) v2(48.05,54.9) v2(48.05,53.4) v2(48.05,51.9) v2(48.05,50.4) v2(48.05,48.9) v2(48.05,47.4) v2(48.05,45.9) v2(48.05,44.4) v2(48.05,42.9) v2(48.05,41.4) v2(48.05,39.9) v2(48.05,38.4) v2(48.05,36.9) v2(48.05,35.4) v2(48.05,33.9) v2(48.05,32.4) v2(48.05,30.9) v2(49.55,89.4) v2(49.55,87.9) v2(49.55,86.4) v2(49.55,84.9) v2(49.55,83.4) v2(49.55,81.9) v2(49.55,80.4) v2(49.55,79.4) v2(49.55,77.4) v2(49.55,76.34) v2(49.55,74.4) v2(49.55,72.9) v2(49.55,71.4) v2(49.55,69.9) v2(49.55,68.4) v2(49.55,66.9) v2(49.55,65.4) v2(49.55,63.9) v2(49.55,62.4) v2(49.55,60.9) v2(49.55,59.4) v2(49.55,57.9) v2(49.55,56.4) v2(49.55,54.9) v2(49.55,53.4) v2(49.55,51.9) v2(49.55,50.4) v2(49.55,48.9) v2(49.55,47.4) v2(49.55,45.9) v2(49.55,44.4) v2(49.55,42.9) v2(49.55,41.4) v2(49.55,39.9) v2(49.55,38.4) v2(49.55,36.9) v2(49.55,35.4) v2(49.55,33.9) v2(49.55,32.4) v2(49.55,30.9) v2(51.05,89.4) v2(51.05,87.9) v2(51.05,86.4) v2(51.05,84.9) v2(51.05,83.4) v2(51.05,81.9) v2(51.05,80.4) v2(51.05,79.4) v2(51.05,77.4) v2(51.05,76.34) v2(51.05,74.4) v2(51.05,72.9) v2(51.05,71.4) v2(51.05,69.9) v2(51.05,68.4) v2(51.05,66.9) v2(51.05,65.4) v2(51.05,63.9) v2(51.05,62.4) v2(51.05,60.9) v2(51.05,59.4) v2(51.05,57.9) v2(51.05,56.4) v2(51.05,54.9) v2(51.05,53.4) v2(51.05,51.9) v2(51.05,50.4) v2(51.05,48.9) v2(51.05,47.4) v2(51.05,45.9) v2(51.05,44.4) v2(51.05,42.9) v2(51.05,41.4) v2(51.05,39.9) v2(51.05,38.4) v2(51.05,36.9) v2(51.05,35.4) v2(51.05,33.9) v2(51.05,32.4) v2(51.05,30.9) v2(52.18,62.4) v2(52.18,60.9) v2(52.18,59.4) v2(52.18,57.9) v2(52.18,56.4) v2(52.25,36.9) v2(52.25,35.4) v2(52.25,33.9) v2(52.25,32.4) v2(52.25,30.9) v2(52.55,89.4) v2(52.55,87.9) v2(52.55,86.4) v2(52.55,84.9) v2(52.55,83.4) v2(54.05,89.4) v2(54.05,87.9) v2(54.05,86.4) v2(54.05,84.9) v2(54.05,83.4) v2(54.05,62.4) v2(54.05,60.9) v2(54.05,59.4) v2(54.05,57.9) v2(54.05,56.4) v2(54.05,36.9) v2(54.05,35.4) v2(54.05,33.9) v2(54.05,32.4) v2(54.05,30.9) v2(55.55,89.4) v2(55.55,87.9) v2(55.55,86.4) v2(55.55,84.9) v2(55.55,83.4) v2(55.55,62.4) v2(55.55,60.9) v2(55.55,59.4) v2(55.55,57.9) v2(55.55,56.4) v2(55.55,36.9) v2(55.55,35.4) v2(55.55,33.9) v2(55.55,32.4) v2(55.55,30.9) v2(57.05,89.4) v2(57.05,87.9) v2(57.05,86.4) v2(57.05,84.9) v2(57.05,83.4) v2(57.05,62.4) v2(57.05,60.9) v2(57.05,59.4) v2(57.05,57.9) v2(57.05,56.4) v2(57.05,36.9) v2(57.05,35.4) v2(57.05,33.9) v2(57.05,32.4) v2(57.05,30.9) v2(58.55,89.4) v2(58.55,87.9) v2(58.55,86.4) v2(58.55,84.9) v2(58.55,83.4) v2(58.55,62.4) v2(58.55,60.9) v2(58.55,59.4) v2(58.55,57.9) v2(58.55,56.4) v2(58.55,36.9) v2(58.55,35.4) v2(58.55,33.9) v2(58.55,32.4) v2(58.55,30.9) v2(60.05,89.4) v2(60.05,87.9) v2(60.05,86.4) v2(60.05,84.9) v2(60.05,83.4) v2(60.05,62.4) v2(60.05,60.9) v2(60.05,59.4) v2(60.05,57.9) v2(60.05,56.4) v2(60.05,36.9) v2(60.05,35.4) v2(60.05,33.9) v2(60.05,32.4) v2(60.05,30.9) v2(61.55,89.4) v2(61.55,87.9) v2(61.55,86.4) v2(61.55,84.9) v2(61.55,83.4) v2(61.55,62.4) v2(61.55,60.9) v2(61.55,59.4) v2(61.55,57.9) v2(61.55,56.4) v2(61.55,36.9) v2(61.55,35.4) v2(61.55,33.9) v2(61.55,32.4) v2(61.55,30.9) v2(63.05,89.4) v2(63.05,87.9) v2(63.05,86.4) v2(63.05,84.9) v2(63.05,83.4) v2(63.05,62.4) v2(63.05,60.9) v2(63.05,59.4) v2(63.05,57.9) v2(63.05,56.4) v2(63.05,36.9) v2(63.05,35.4) v2(63.05,33.9) v2(63.05,32.4) v2(63.05,30.9) v2(64.55,89.4) v2(64.55,87.9) v2(64.55,86.4) v2(64.55,84.9) v2(64.55,83.4) v2(64.55,62.4) v2(64.55,60.9) v2(64.55,59.4) v2(64.55,57.9) v2(64.55,56.4) v2(64.55,36.9) v2(64.55,35.4) v2(64.55,33.9) v2(64.55,32.4) v2(64.55,30.9) v2(66.05,89.4) v2(66.05,87.9) v2(66.05,86.4) v2(66.05,84.9) v2(66.05,83.4) v2(66.05,62.4) v2(66.05,60.9) v2(66.05,59.4) v2(66.05,57.9) v2(66.05,56.4) v2(66.05,36.9) v2(66.05,35.4) v2(66.05,33.9) v2(66.05,32.4) v2(66.05,30.9) v2(67.55,89.4) v2(67.55,87.9) v2(67.55,86.4) v2(67.55,84.9) v2(67.55,83.4) v2(67.55,62.4) v2(67.55,60.9) v2(67.55,59.4) v2(67.55,57.9) v2(67.55,56.4) v2(67.55,36.9) v2(67.55,35.4) v2(67.55,33.9) v2(67.55,32.4) v2(67.55,30.9) v2(69.05,89.4) v2(69.05,87.9) v2(69.05,86.4) v2(69.05,84.9) v2(69.05,83.4) v2(69.47,62.4) v2(69.47,60.9) v2(69.47,59.4) v2(69.47,57.9) v2(69.47,56.4) v2(69.47,36.9) v2(69.47,35.4) v2(69.47,33.9) v2(69.47,32.4) v2(69.47,30.9) v2(70.55,89.4) v2(70.55,87.9) v2(70.55,86.4) v2(70.55,84.9) v2(70.55,83.4) v2(70.55,62.4) v2(70.55,60.9) v2(70.55,59.4) v2(70.55,57.9) v2(70.55,56.4) v2(70.55,36.9) v2(70.55,35.4) v2(70.55,33.9) v2(70.55,32.4) v2(70.55,30.9) v2(72.05,89.4) v2(72.05,87.9) v2(72.05,86.4) v2(72.05,84.9) v2(72.05,83.4) v2(72.05,62.4) v2(72.05,60.9) v2(72.05,59.4) v2(72.05,57.9) v2(72.05,56.4) v2(72.05,36.9) v2(72.05,35.4) v2(72.05,33.9) v2(72.05,32.4) v2(72.05,30.9) v2(73.55,89.4) v2(73.55,87.9) v2(73.55,86.4) v2(73.55,84.9) v2(73.55,83.4) v2(73.55,62.4) v2(73.55,60.9) v2(73.55,59.4) v2(73.55,57.9) v2(73.55,56.4) v2(73.55,36.9) v2(73.55,35.4) v2(73.55,33.9) v2(73.55,32.4) v2(73.55,30.9) v2(75.05,89.4) v2(75.05,87.9) v2(75.05,86.4) v2(75.05,84.9) v2(75.05,83.4) v2(75.05,62.4) v2(75.05,60.9) v2(75.05,59.4) v2(75.05,57.9) v2(75.05,56.4) v2(75.05,36.9) v2(75.05,35.4) v2(75.05,33.9) v2(75.05,32.4) v2(75.05,30.9) v2(76.55,89.4) v2(76.55,87.9) v2(76.55,86.4) v2(76.55,62.4) v2(76.55,60.9) v2(76.55,56.4) v2(76.55,36.9) v2(76.55,35.4) v2(78.05,89.4) v2(78.05,87.9) v2(78.05,86.4) v2(78.05,62.4) v2(78.05,60.9) v2(78.05,56.4) v2(78.05,36.9) v2(78.05,35.4) v2(79.55,89.4) v2(79.55,87.9) v2(79.55,86.4) v2(79.55,84.9) v2(79.55,83.4) v2(79.55,62.4) v2(79.55,60.9) v2(79.55,59.4) v2(79.55,57.9) v2(79.55,56.4) v2(79.55,36.9) v2(79.55,35.4) v2(79.55,33.9) v2(79.55,32.4) v2(79.55,30.9) v2(81.05,89.4) v2(81.05,87.9) v2(81.05,86.4) v2(81.05,84.9) v2(81.05,83.4) v2(81.05,62.4) v2(81.05,60.9) v2(81.05,59.4) v2(81.05,57.9) v2(81.05,56.4) v2(81.05,36.9) v2(81.05,35.4) v2(81.05,33.9) v2(81.05,32.4) v2(81.05,30.9) v2(82.55,89.4) v2(82.55,87.9) v2(82.55,86.4) v2(82.55,84.9) v2(82.55,83.4) v2(82.55,62.4) v2(82.55,60.9) v2(82.55,59.4) v2(82.55,57.9) v2(82.55,56.4) v2(82.55,36.9) v2(82.55,35.4) v2(82.55,33.9) v2(82.55,32.4) v2(82.55,30.9) v2(84.05,89.4) v2(84.05,87.9) v2(84.05,86.4) v2(84.05,84.9) v2(84.05,83.4) v2(84.05,62.4) v2(84.05,60.9) v2(84.05,59.4) v2(84.05,57.9) v2(84.05,56.4) v2(84.05,36.9) v2(84.05,35.4) v2(84.05,33.9) v2(84.05,32.4) v2(84.05,30.9)
